# KiCad board keyboard.kicad_pcb (continued)
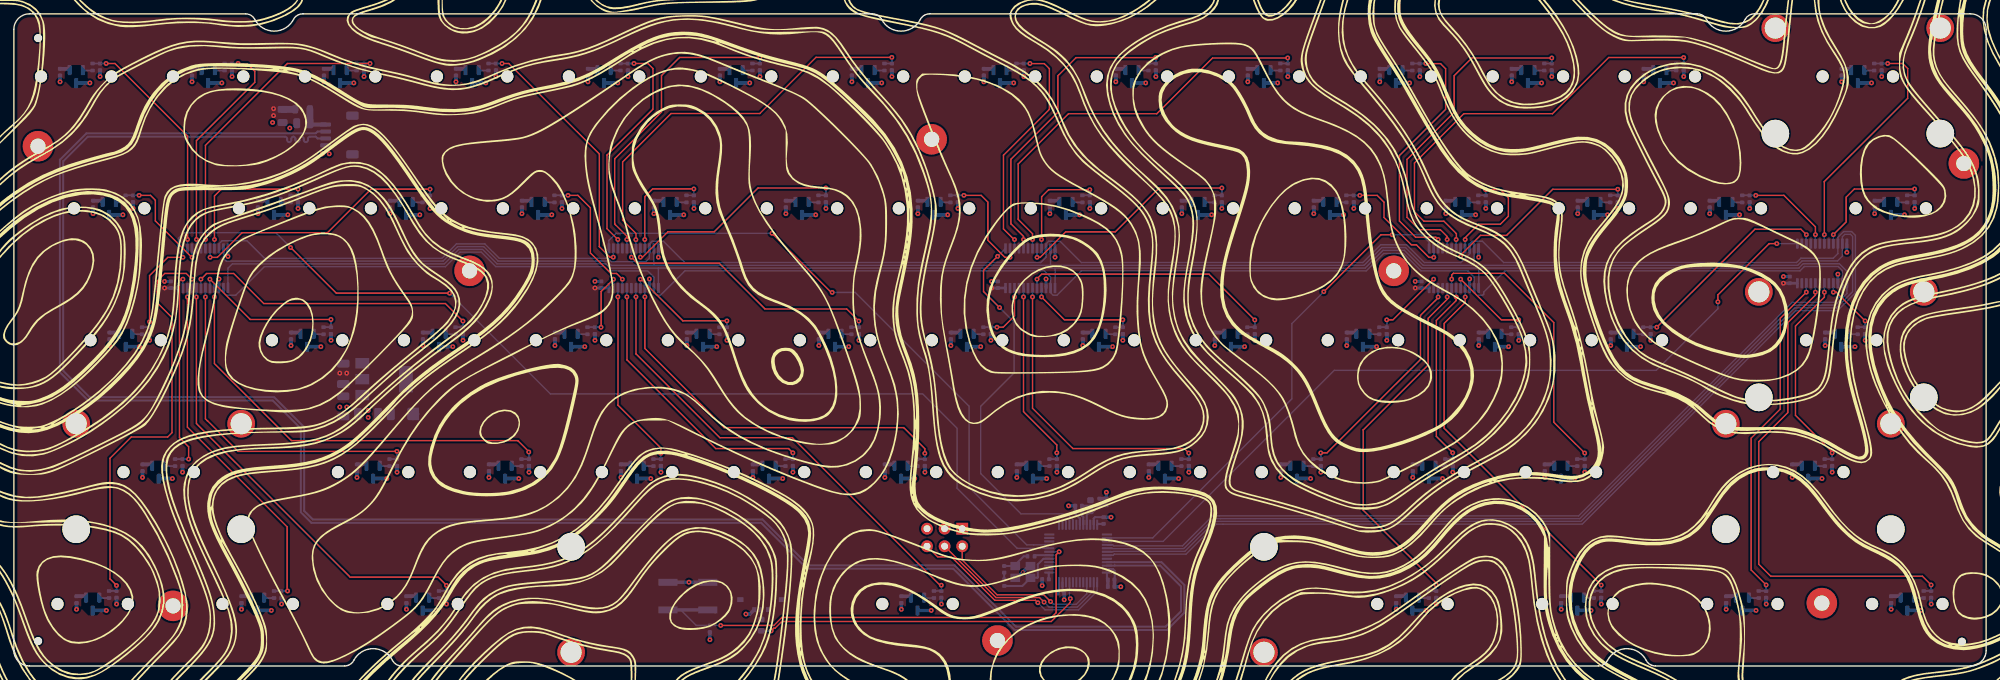
[diagram p0: board, top side]
## Routing (per net, layer and track width the routed paths; a pad name or vN(x,y) marks a point on that pad's centre or on a via; arc(x,y) is an arc through that point) (continued)
VBUS: length 4.4
  Bottom w0.2: C23.1 42.74,78.41
  Bottom w0.6: C23.1 42.93,78.2 J1.1
  Bottom w1: FB2.1 42.73,78.41
/Multiplexers/keys/KEYS_0_0: length 36.2
  Top w0.2: v1(13.32,87.03) 14.59,87.03 25.07,76.55 v1(25.07,61.6)
  Bottom w0.2: 12.43,87.03 R1.1 12.43,87.03 ; 12.43,87.03 C2.1 12.45,87.03 ; 12.44,87.03 12.45,87.03 ; 12.45,87.03 v1(13.32,87.03) 12.45,87.03 ; v1(25.07,61.6) 25.07,60.33 U4.3
/Multiplexers/keys/KEYS_0_1: length 35.9
  Top w0.2: v1(26.36,61.6) 26.35,61.6 26.35,75.89 34.77,84.31 34.77,85.91 33.68,87 32.44,87
  Bottom w0.2: 31.5,87.03 v1(32.37,87.03) ; 31.5,87.03 R4.1 31.48,87.03 ; 31.5,87.03 C19.1 32.42,87.02 32.44,87 ; v1(26.36,61.6) U4.5
/Multiplexers/keys/KEYS_0_2: length 47.4
  Top w0.2: v1(27.66,61.6) 27.66,75.21 39.48,87.03 v1(51.42,87.03)
  Bottom w0.2: 50.55,87.03 v1(51.42,87.03) 50.55,87.03 ; 50.55,87.03 C25.1 ; 50.55,87.03 R5.1 50.53,87.03 ; U4.7 v1(27.66,61.6)
/Multiplexers/keys/KEYS_0_3: length 41
  Top w0.2: v1(86.53,59.05) 86.03,59.05 84.51,60.57 84.51,73.96 71.44,87.03 70.47,87.03 v1(70.47,87.03) ; 86.53,58.92 86.35,58.92
  Bottom w0.2: 86.53,58.92 86.54,58.93 U5.2 ; 69.6,87.03 v1(70.47,87.03) 69.6,87.03 ; 69.6,87.03 C27.1 69.58,87.03 ; 69.6,87.03 69.59,87.03 ; 69.58,87.03 R6.1 69.58,87.03
/Multiplexers/keys/KEYS_0_4: length 36.3
  Top w0.2: v1(87.19,61.6) 85.62,63.16 85.62,73.8 92.25,80.43 92.25,86.3 91.52,87.03 v1(89.52,87.03)
  Bottom w0.2: U5.3 v1(87.19,61.6) ; 88.64,87.03 R7.1 88.63,87.03 ; 88.64,87.03 v1(89.52,87.03) 88.65,87.03 ; 88.64,87.03 88.64,87.02
/Multiplexers/keys/KEYS_0_5: length 47.7
  Top w0.2: v1(88.49,61.6) 88.49,62.08 86.73,63.83 86.73,73.27 93.48,80.02 93.48,85.29 96.09,87.9 107.69,87.9 v1(107.7,87.89)
  Bottom w0.2: 107.7,87.03 v1(107.7,87.89) 107.69,87.88 C31.1 107.68,87.03 ; v1(88.49,61.6) U5.5 ; 107.68,87.03 R8.1 107.68,87.03
/Multiplexers/keys/KEYS_0_6: length 62.3
  Top w0.2: v1(89.79,61.58) 89.8,61.6 89.8,62.47 87.87,64.4 87.87,72.8 94.87,79.8 107.67,79.8 115.79,87.92 v1(126.74,87.92)
  Bottom w0.2: 126.73,87.03 R9.1 126.73,87.03 ; 126.73,87.03 126.74,87.02 126.74,87.91 v1(126.74,87.92) 126.75,87.91 126.75,87.03 ; v1(89.79,61.58) U5.7
/Multiplexers/keys/KEYS_0_7: length 36.4
  Top w0.2: v1(144.44,61.6) 144.44,61.58 144.41,61.58 142.85,63.14 142.85,73.78 149.47,80.4 149.47,86.28 148.74,87.01 146.69,87.01 v1(146.67,87.03)
  Bottom w0.2: U6.3 v1(144.44,61.6) ; 145.79,87.03 C35.1 ; 145.79,87.03 v1(146.67,87.03) 145.8,87.03 ; 145.79,87.03 R10.1 145.78,87.03
/Multiplexers/keys/KEYS_0_8: length 47.8
  Top w0.2: 164.84,87.9 164.81,87.88 153.33,87.88 150.7,85.25 150.7,79.98 143.92,73.2 143.92,63.87 145.74,62.05 v1(145.74,61.6)
  Bottom w0.2: 164.84,87.25 v1(164.84,87.9) ; 164.84,87.25 164.83,87.24 164.83,87.03 ; 164.84,87.25 164.84,87.03 ; 164.83,87.03 R11.1 164.83,87.03 ; v1(145.74,61.6) U6.5 ; 164.84,87.9 v1(164.84,87.9) ; v1(164.84,87.9) 164.85,87.89 164.85,87.03
/Multiplexers/keys/KEYS_0_9: length 62
  Top w0.2: v1(183.87,87.83) 173.04,87.83 164.98,79.77 152.23,79.77 144.97,72.51 144.97,64.5 147.04,62.43 v1(147.04,61.6)
  Bottom w0.2: C39.1 183.89,87.82 v1(183.87,87.83) 183.9,87.81 183.9,87.03 ; v1(147.04,61.6) U6.7 ; 183.89,87.03 183.89,87.03 ; 183.88,87.03 R12.1 183.88,87.03
/Multiplexers/keys/KEYS_0_10: length 39.8
  Top w0.2: 203.82,87.03 203.84,87.01 205.94,87.01 206.67,86.28 206.67,80.4 200.01,73.73 200.01,64.27 202.34,61.93 205.26,61.93 v1(205.59,61.6)
  Bottom w0.2: 202.94,87.03 202.94,87.02 ; 202.95,87.03 v1(203.82,87.03) ; 202.94,87.03 R13.1 202.93,87.03 ; 202.94,87.03 v1(203.82,87.03) ; v1(203.82,87.03) 203.82,87.03 ; v1(205.59,61.6) 205.59,60.31 U7.3
/Multiplexers/keys/KEYS_0_11: length 51
  Top w0.2: v1(206.89,61.6) 206.89,62.04 205.91,63.02 202.88,63.02 201.1,64.81 201.1,73.17 207.9,79.98 207.9,85.25 210.48,87.83 221.99,87.83 v1(222,87.83)
  Bottom w0.2: 221.98,87.03 R14.1 221.98,87.03 ; 221.98,87.03 221.98,87.22 221.99,87.23 ; 221.99,87.23 221.99,87.03 ; 221.99,87.23 221.99,87.82 v1(222,87.83) 222,87.03 ; v1(206.89,61.6) 206.89,60.31 U7.5
/Multiplexers/keys/KEYS_0_12: length 65.8
  Top w0.2: v1(241.04,87.89) 230.22,87.89 222.1,79.78 209.3,79.78 202.17,72.65 202.17,65.61 203.54,64.24 206.44,64.24 208.23,62.45 208.23,61.6 v1(208.19,61.6)
  Bottom w0.2: 241.04,87.03 241.04,87.24 ; 241.03,87.03 241.03,87.24 241.04,87.24 ; 241.03,87.03 R15.1 241.03,87.03 ; v1(208.19,61.6) 208.19,60.31 U7.7 ; 241.04,87.24 241.04,87.89 v1(241.04,87.89) 241.05,87.89 241.05,87.03
/Multiplexers/keys/KEYS_0_13: length 37.4
  Top w0.2: 261.36,62.3 v1(261.34,62.3) 261.33,62.31 261.33,69.96 273.37,82 273.37,86.3 272.64,87.03 270.49,87.03
  Bottom w0.2: U8.7 v1(261.34,62.3) ; 269.62,87.03 270.49,87.03 ; 269.62,87.03 C47.1 ; 269.62,87.03 R16.1 269.6,87.03 ; 269.62,87.03 v1(270.49,87.03)
/Multiplexers/keys/KEYS_1_0: length 18.3
  Top w0.2: v1(25.72,59.03) 25.68,59.03 20.42,64.28 20.42,67.28 19.72,67.98 v1(18.08,67.98)
  Bottom w0.2: 17.21,67.98 v1(18.08,67.98) 17.21,67.98 ; 17.21,67.98 17.2,67.98 ; 17.21,67.98 C49.1 17.19,67.98 ; 17.19,67.98 R17.1 17.19,67.98 ; v1(25.72,59.03) 25.72,60.29 U4.4
/Multiplexers/keys/KEYS_1_1: length 24.6
  Top w0.2: v1(28.96,61.6) 28.96,67.89 29.94,68.88 v1(41.02,68.88)
  Bottom w0.2: 28.96,60.95 U4.9 28.96,60.95 ; 28.96,60.95 v1(28.96,61.6) ; 41.02,67.98 41.02,68.87 v1(41.02,68.88) 41.02,67.99 C51.1 ; R18.1 41,67.98 R18.1
/Multiplexers/keys/KEYS_1_2: length 41.5
  Top w0.2: v1(60.07,68.88) 51.56,68.88 45.27,62.59 32.94,62.59 29.38,59.03 v1(28.32,59.03)
  Bottom w0.2: 60.07,67.98 60.07,68.87 v1(60.07,68.88) 60.06,68.86 60.06,68.42 ; 60.06,68.42 C53.1 60.05,67.98 ; 60.06,68.42 60.06,67.98 ; v1(28.32,59.03) 28.32,60.29 U4.8 ; 60.05,67.98 R19.1 60.05,67.98
/Multiplexers/keys/KEYS_1_3: length 21.9
  Top w0.2: 79.99,67.98 81.42,67.98 83.22,66.18 83.22,59.66 86.17,56.7 86.99,56.7 87.83,55.86 v1(87.84,55.86)
  Bottom w0.2: 79.99,67.98 79.12,67.98 ; 79.12,67.98 C55.1 ; 79.12,67.98 R20.1 79.1,67.98 ; 79.12,67.98 v1(79.99,67.98) ; U5.21 v1(87.84,55.86)
/Multiplexers/keys/KEYS_1_4: length 17.1
  Top w0.2: v1(98.16,68.9) 98.14,68.92 92.21,68.92 91.07,67.78 v1(91.07,61.6)
  Bottom w0.2: 91.09,61.59 v1(91.07,61.6) 91.09,61.59 ; 91.09,61.59 U5.9 ; 98.17,68.9 v1(98.16,68.9) C57.1 98.15,67.98 R21.1 ; 98.16,68.92 98.16,68.91
/Multiplexers/keys/KEYS_1_5: length 36.7
  Top w0.2: 90.44,59.06 90.75,59.06 94.39,62.7 101.07,62.7 107.42,69.04 v1(117.2,69.04) 117.21,69.05
  Bottom w0.2: 117.21,68.25 117.2,68.24 117.2,67.98 ; 117.21,68.25 117.21,69.04 117.21,69.05 ; 117.21,68.25 117.21,67.98 ; v1(117.2,69.04) 117.22,69.03 117.22,67.98 ; 117.2,67.98 R22.1 117.2,67.98 ; U5.8 v1(90.44,59.05)
/Multiplexers/keys/KEYS_1_6: length 18.8
  Top w0.2: v1(143.79,59.03) 143.79,59.02 143.07,59.02 140.6,61.49 140.6,67 139.62,67.98 137.14,67.98 v1(137.14,67.98)
  Bottom w0.2: 136.27,67.98 v1(137.14,67.98) 136.27,67.98 ; 136.27,67.98 C61.1 ; 136.27,67.98 R23.1 136.25,67.98 ; v1(143.79,59.03) 143.79,59.03 U6.2
/Multiplexers/keys/KEYS_1_7: length 18.8
  Top w0.2: v1(148.34,61.6) 148.36,61.6 148.36,67.78 149.38,68.8 v1(155.31,68.8)
  Bottom w0.2: 155.31,68.19 v1(155.31,68.8) 155.32,68.79 155.32,67.98 ; 155.31,68.19 155.31,67.98 ; 155.31,68.19 155.3,68.18 155.3,67.98 ; 155.3,67.98 R24.1 155.3,67.98 ; v1(148.34,61.6) U6.9
/Multiplexers/keys/KEYS_1_8: length 36.7
  Top w0.2: v1(174.37,69.05) 165.32,69.05 158.97,62.7 151.82,62.7 148.17,59.04 147.69,59.04 v1(147.69,59.03)
  Bottom w0.2: 174.36,68.24 174.36,67.98 ; 174.36,68.24 174.36,69.03 v1(174.37,69.05) 174.37,69.04 174.37,67.98 ; 174.36,68.24 174.35,68.23 174.35,67.98 R25.1 174.35,67.98 ; v1(147.69,59.03) 147.69,60.31 U6.8
/Multiplexers/keys/KEYS_1_9: length 20.9
  Top w0.2: v1(204.96,59.03) 204.27,59.03 202.46,60.83 201.73,60.83 197.77,64.79 197.77,67 196.79,67.98 194.29,67.98
  Bottom w0.2: v1(204.96,59.03) 204.96,60.29 U7.2 ; 193.4,67.98 C67.1 193.42,67.98 ; 193.4,67.98 R26.1 193.4,67.98 ; 193.41,67.98 193.42,67.98 ; 193.42,67.98 194.29,67.98 ; 193.42,67.98 v1(194.29,67.98)
/Multiplexers/keys/KEYS_1_10: length 19.4
  Top w0.2: v1(209.49,61.6) 209.49,61.86 211.44,63.81 214.57,63.81 215.73,64.97 215.73,67.64 214.57,68.81 v1(212.45,68.81)
  Bottom w0.2: 212.45,68.08 212.46,68.07 212.46,67.98 ; 212.45,68.08 212.45,67.98 R27.1 212.45,67.98 ; 212.45,68.08 212.45,68.17 212.45,68.18 v1(212.45,68.81) 212.47,68.79 212.47,67.98 ; U7.9 209.49,60.31 v1(209.49,61.6)
/Multiplexers/keys/KEYS_1_11: length 31
  Top w0.2: v1(231.52,68.86) 222.13,68.86 215.47,62.2 211.7,62.2 208.84,59.34 v1(208.84,59.16)
  Bottom w0.2: U7.8 208.84,59.16 v1(208.84,59.16) ; 231.5,67.98 R28.1 231.5,67.98 ; 231.5,67.98 C71.1 ; 231.52,67.98 231.52,68.86 v1(231.52,68.86)
/Multiplexers/keys/KEYS_1_12: length 16.8
  Top w0.2: v1(260.05,62.3) 260.05,63.44 255.51,67.98 v1(251.44,67.98)
  Bottom w0.2: 250.56,67.98 250.57,67.98 ; 250.57,67.98 v1(251.44,67.98) 250.57,67.98 ; 250.57,67.98 C73.1 250.55,67.98 R29.1 250.55,67.98 ; v1(260.05,62.3) 260.04,62.29 U8.5
/Multiplexers/keys/KEYS_1_13: length 21.8
  Top w0.2: 274.37,68.9 265.67,68.9 264.49,67.72 264.49,64.15 v1(262.64,62.3)
  Bottom w0.2: v1(274.37,68.9) 274.37,67.98 ; v1(274.37,68.9) 274.37,68.9 ; v1(274.37,68.9) 274.38,68.89 274.38,67.98 ; U8.9 v1(262.64,62.3) ; 274.37,67.98 R30.1 274.36,67.98 ; 274.37,67.98 274.37,67.98
/Multiplexers/keys/KEYS_2_0: length 16.8
  Top w0.2: 24.4,59.05 24.41,59.04 v1(24.41,59.03) 22.22,59.03 19.59,56.4 v1(19.59,49.7) 19.57,49.72
  Bottom w0.2: 19.57,48.93 R31.1 19.58,48.93 19.58,48.92 ; v1(24.41,59.03) U4.2 ; 19.59,48.93 19.59,49.7 v1(19.59,49.7)
/Multiplexers/keys/KEYS_2_1: length 26.2
  Top w0.2: v1(28.3,55.87) 34.12,50.05 v1(45.77,50.05)
  Bottom w0.2: 45.76,48.93 R32.1 45.77,48.93 ; 45.78,48.93 45.78,50.04 v1(45.77,50.05) 45.77,50.05 45.77,48.93 ; 28.31,55.23 U4.17 28.31,55.23 ; 28.31,55.23 28.31,55.87 v1(28.3,55.87) ; 45.77,48.93 C79.1
/Multiplexers/keys/KEYS_2_2: length 46.9
  Top w0.2: 64.82,49.83 62.3,52.35 36.07,52.35 31.73,56.69 27.82,56.69 v1(27,55.87)
  Bottom w0.2: 64.83,48.93 64.83,49.82 v1(64.82,49.82) ; 64.82,49.83 v1(64.82,49.82) ; v1(64.82,49.82) 64.82,48.93 ; v1(27,55.87) 27.01,55.87 27.01,55.23 ; 64.82,48.93 R33.1 64.81,48.93 ; 64.82,48.93 C81.1 ; 27.01,55.23 U4.19 27.01,55.23
/Multiplexers/keys/KEYS_2_3: length 12.9
  Top w0.2: v1(86.55,55.86) 84.79,54.1 84.77,54.1 84.77,48.95 v1(84.75,48.93)
  Bottom w0.2: 83.88,48.93 83.87,48.93 ; 83.88,48.93 83.87,48.93 ; 83.88,48.93 v1(84.75,48.93) 83.88,48.93 ; 83.87,48.93 83.87,48.93 83.86,48.93 ; 83.87,48.93 83.87,48.92 ; 83.86,48.93 R34.1 83.86,48.93 ; U5.23 86.55,54.6 v1(86.55,55.86)
/Multiplexers/keys/KEYS_2_4: length 20.2
  Top w0.2: v1(90.44,55.86) 90.56,55.86 96.57,49.86 102.91,49.86 v1(102.92,49.85)
  Bottom w0.2: 102.91,48.93 102.92,48.93 ; 102.91,48.93 101.85,48.93 ; 102.91,48.93 R35.1 ; 102.92,48.93 C85.1 ; 102.92,48.93 C85.1 ; C85.1 v1(102.92,49.85) 102.93,49.84 102.93,48.93 ; v1(90.44,55.86) U5.17
/Multiplexers/keys/KEYS_2_5: length 41.8
  Top w0.2: v1(121.97,49.82) 120.22,51.57 108.42,51.57 101.81,58.19 90,58.19 v1(89.14,59.05)
  Bottom w0.2: 121.97,49.76 121.97,49.75 121.97,48.93 ; 121.97,48.93 121.97,48.92 ; 121.97,48.93 R36.1 121.96,48.93 ; 121.98,48.93 121.98,49.81 v1(121.97,49.82) ; v1(89.14,59.05) U5.6
/Multiplexers/keys/KEYS_2_6: length 11.1
  Top w0.2: v1(144.44,53.31) 144.44,50.57 142.8,48.93 v1(141.9,48.93)
  Bottom w0.2: 141.01,48.93 141.02,48.93 141.02,48.93 ; 141.01,48.93 R37.1 141.01,48.93 ; 141.03,48.93 141.02,48.93 ; 141.03,48.93 141.02,48.93 ; 141.03,48.93 v1(141.9,48.93) 141.03,48.93 ; 141.02,48.93 141.02,48.92 ; v1(144.44,53.31) U6.22
/Multiplexers/keys/KEYS_2_7: length 18.7
  Top w0.2: v1(160.07,50) 151.65,50 v1(148.34,53.31) 148.34,53.3
  Bottom w0.2: 160.06,48.93 R38.1 160.07,48.93 ; U6.16 v1(148.34,53.31) ; 160.07,48.93 160.07,50 v1(160.07,50) 160.08,49.99 160.08,48.93 ; 160.07,48.93 160.07,48.93
/Multiplexers/keys/KEYS_2_8: length 40
  Top w0.2: v1(179.13,49.98) 172.51,56.6 148.37,56.6 147.69,55.92 v1(147.69,55.87)
  Bottom w0.2: 179.12,48.93 R39.1 179.11,48.93 ; 179.12,48.93 179.12,48.93 ; 179.12,48.93 179.12,49.98 v1(179.13,49.98) 179.13,49.98 179.13,48.93 ; v1(147.69,55.87) 147.69,55.87 U6.17
/Multiplexers/keys/KEYS_2_9: length 15
  Top w0.2: 204.94,55.7 v1(204.94,55.87) 199.07,50 198.17,50
  Bottom w0.2: U7.23 v1(204.94,55.87) ; v1(198.17,50) 198.18,49.99 198.18,48.93 ; v1(198.17,50) 198.17,50 ; v1(198.17,50) 198.17,48.92 198.17,48.93 ; 198.17,48.93 C95.1 ; 198.17,48.93 198.16,48.93 ; R40.1 198.16,48.93 ; 198.16,48.93 197.1,48.93
/Multiplexers/keys/KEYS_2_10: length 17.2
  Top w0.2: 209.01,55.87 208.84,55.87 v1(208.84,55.87) 214.72,49.99 v1(217.22,49.99)
  Bottom w0.2: 208.84,55.23 208.84,55.23 U7.17 208.84,55.23 ; 208.84,55.23 v1(208.84,55.87) ; 217.22,48.93 217.22,48.93 ; 217.22,48.93 217.22,49.99 v1(217.22,49.99) 217.23,49.98 217.23,48.93 ; 217.22,48.93 R41.1 217.21,48.93
/Multiplexers/keys/KEYS_2_11: length 33.2
  Top w0.2: v1(258.74,62.3) 257.95,63.09 251.31,63.09 237.17,48.95 237.17,48.93
  Bottom w0.2: 258.74,62.24 258.74,61.66 258.74,61.66 258.74,61.32 ; 236.26,48.93 R42.1 236.27,48.93 236.28,48.93 236.28,48.93 ; 258.74,61.32 U8.3 258.74,61.32 ; 236.28,48.93 v1(237.15,48.93) ; 236.28,48.93 237.17,48.93 ; 236.28,48.93 236.27,48.92
/Multiplexers/keys/KEYS_2_12: length 11.6
  Top w0.2: v1(262.65,53.99) 263.08,53.99 v1(267.23,49.85)
  Bottom w0.2: 267.24,48.93 267.24,49.84 v1(267.23,49.85) 267.23,48.93 ; 267.23,48.93 266.16,48.93 ; 267.23,48.93 C101.1 ; 262.65,55.28 262.65,55.28 v1(262.65,53.99) ; 262.65,55.28 U8.16 ; 262.65,55.28 262.64,55.28 ; R43.1 267.22,48.93
/Multiplexers/keys/KEYS_3_0: length 32.7
  Top w0.2: v1(25.22,29.88) 25.22,29.88 25.22,31.68 23.91,32.99 23.91,55.61 24.17,55.87 v1(24.4,55.87)
  Bottom w0.2: 24.35,29.88 C103.1 ; 24.35,29.88 R44.1 24.33,29.88 ; 24.35,29.88 v1(25.22,29.88) 24.35,29.88 ; 24.41,55.23 U4.23 24.41,55.23 ; 24.41,55.23 24.41,55.87 v1(24.4,55.87)
/Multiplexers/keys/KEYS_3_1: length 53.4
  Top w0.2: 55.3,31 32.37,31 27.96,35.41 27.94,35.41 27.65,35.7 v1(27.65,53.3)
  Bottom w0.2: 55.29,29.88 R45.1 55.29,29.88 ; 55.29,29.88 C105.1 ; 55.29,29.88 55.29,30.43 55.3,30.44 ; v1(55.3,31) 55.31,30.99 55.31,29.88 ; v1(55.3,31) 55.3,30.44 ; v1(55.3,31) 55.3,31 ; 55.3,30.44 55.3,29.88 ; v1(27.65,53.3) 27.65,54.58 U4.18
/Multiplexers/keys/KEYS_3_2: length 66.5
  Top w0.2: v1(74.32,30.9) 74.32,30.98 72.75,32.55 40.08,32.55 28.95,43.69 v1(28.95,53.3)
  Bottom w0.2: 74.35,29.88 C107.1 ; 74.35,29.88 74.35,30.88 v1(74.32,30.9) 74.36,30.87 74.36,29.88 ; 74.35,29.88 R46.1 74.34,29.88 ; 28.96,53.95 28.96,53.31 v1(28.95,53.3) ; 28.96,53.95 U4.16 28.96,53.95 28.96,53.95
/Multiplexers/keys/KEYS_3_3: length 29.4
  Top w0.2: v1(93.4,30.71) 93.4,31.48 87.2,37.68 87.2,53.29 87.18,53.3 v1(87.18,53.32)
  Bottom w0.2: 93.39,29.88 R47.1 93.39,29.88 93.39,29.88 ; 93.39,29.88 C109.1 ; 93.39,29.88 C109.1 ; C109.1 v1(93.4,30.71) ; U5.22 87.19,53.32 v1(87.18,53.32)
/Multiplexers/keys/KEYS_3_4: length 43.8
  Top w0.2: v1(88.49,53.32) 88.5,53.31 88.5,44.22 101.32,31.4 111.84,31.4 v1(112.45,30.79)
  Bottom w0.2: 112.45,29.88 R48.1 112.44,29.88 ; 112.45,29.88 v1(112.45,30.79) 112.46,30.78 112.46,29.88 ; 112.45,29.88 112.45,29.88 ; U5.20 v1(88.49,53.32)
/Multiplexers/keys/KEYS_3_5: length 59.6
  Top w0.2: v1(131.5,30.71) 131.5,31.37 128.45,34.43 102.52,34.43 91.09,45.86 v1(91.09,53.32)
  Bottom w0.2: 131.49,29.88 R49.1 131.49,29.88 131.49,29.88 ; C113.1 131.5,30.71 v1(131.5,30.71) 131.51,30.7 131.51,29.88 ; C113.1 131.49,29.88 ; C113.1 131.49,29.88 ; 91.09,53.31 U5.16
/Multiplexers/keys/KEYS_3_6: length 29.7
  Top w0.2: 145.74,53.3 145.74,36.73 150.55,31.93 v1(150.55,30.79)
  Bottom w0.2: 150.54,29.88 R50.1 150.55,29.88 ; 145.74,53.3 U6.20 ; 150.55,29.88 150.55,29.88 ; 150.55,29.88 v1(150.55,30.79) 150.56,30.78 150.56,29.88
  vias: v1(145.74,53.31)
/Multiplexers/keys/KEYS_3_7: length 46.5
  Top w0.2: v1(147.04,53.31) 147.04,53.31 147.04,37.23 152.87,31.4 168.95,31.4 v1(169.6,30.75)
  Bottom w0.2: 169.6,29.88 169.6,29.88 ; 169.6,29.88 169.6,30.75 v1(169.6,30.75) 169.61,30.75 169.61,29.88 ; 169.6,29.88 R51.1 169.59,29.88 ; v1(147.04,53.31) U6.18
/Multiplexers/keys/KEYS_3_8: length 35.9
  Top w0.2: 188.65,30.78 189.55,30.78 201.6,42.82 203.04,44.27 203.04,50.63 205.59,53.18 v1(205.59,53.3)
  Bottom w0.2: U7.22 205.59,53.94 205.59,53.94 ; 205.59,53.94 205.59,54.59 ; 205.59,53.94 v1(205.59,53.3) ; 188.65,29.88 188.65,29.88 ; 188.65,29.88 v1(188.65,30.78) ; 188.65,29.88 R52.1 188.64,29.88 ; v1(188.65,30.78) 188.65,30.78 ; v1(188.65,30.78) 188.66,30.77 188.66,29.88
/Multiplexers/keys/KEYS_3_9: length 30.4
  Top w0.2: v1(208.2,53.3) 208.2,52.78 205.33,49.91 205.33,33.17 207.7,30.8
  Bottom w0.2: 207.69,29.88 207.69,29.88 ; 207.69,29.88 R53.1 207.69,29.88 ; 207.69,29.88 207.69,30.33 207.7,30.34 ; 207.69,29.88 C121.1 207.69,29.88 ; 207.7,30.8 v1(207.7,30.8) ; v1(207.7,30.8) 207.7,30.34 ; v1(207.7,30.8) 207.71,30.79 207.71,29.88 ; v1(208.2,53.3) 208.2,54.58 U7.18 ; 207.7,30.34 207.7,29.88
/Multiplexers/keys/KEYS_3_10: length 44.6
  Top w0.2: 226.71,30.79 222.28,35.22 222.28,49.61 215.17,56.72 207.79,56.72 207.55,56.48 v1(207.55,55.87)
  Bottom w0.2: 207.54,54.91 U7.19 207.54,54.91 ; 207.54,54.91 207.54,55.87 v1(207.55,55.87) ; 226.75,29.88 226.75,29.88 226.75,29.88 ; 226.75,29.88 226.75,29.87 ; 226.75,29.88 226.74,29.88 226.74,29.88 ; v1(226.75,30.76) 226.76,30.75 226.76,29.88 ; v1(226.75,30.76) C123.1 ; v1(226.75,30.76) 226.71,30.79 ; 226.74,29.88 R54.1 226.74,29.88
/Multiplexers/keys/KEYS_3_11: length 32.4
  Top w0.2: v1(261.35,54) 261.35,53.28 257.17,49.1 257.17,36.2 262.47,30.91 v1(262.47,30.78)
  Bottom w0.2: 261.35,55.28 U8.18 ; 261.35,55.28 261.35,55.28 ; 261.35,55.28 U8.18 ; U8.18 261.35,55.28 ; 262.46,29.88 C125.1 v1(262.47,30.78) 262.48,30.77 262.48,29.88 ; 262.46,29.88 261.4,29.88 R55.1 262.46,29.88 ; 261.35,55.28 v1(261.35,54)
/Multiplexers/keys/KEYS_4_0: length 63.5
  Top w0.2: v1(25.7,55.87) 24.87,56.7 21.79,56.7 20.69,55.6 20.69,52.46 22.82,50.33 22.82,33.69 22.21,33.08 16.95,33.08 13.87,30 13.87,12.58 14.82,11.63
  Bottom w0.2: 14.83,10.83 14.83,11.61 v1(14.82,11.62) ; v1(14.82,11.62) 14.82,11.63 ; v1(14.82,11.62) 14.82,10.83 ; 14.82,10.83 C127.1 ; 14.82,10.83 R56.1 14.81,10.83 ; 25.71,55.23 U4.21 25.71,55.23 ; 25.71,55.23 25.71,55.87 v1(25.7,55.87)
/Multiplexers/keys/KEYS_4_1: length 53.6
  Top w0.2: v1(25.05,53.3) 25.05,34.5 39.45,20.1 39.45,10.83
  Bottom w0.2: 38.62,10.83 38.63,10.82 38.64,10.83 ; 38.62,10.83 R57.1 ; 38.62,10.83 37.56,10.83 ; 38.64,10.83 39.44,10.83 39.45,10.83 ; 38.64,10.83 v1(39.51,10.83) ; 38.64,10.83 38.63,10.83 ; U4.22 25.05,54.58 v1(25.05,53.3)
/Multiplexers/keys/KEYS_4_2: length 69.5
  Top w0.2: 62.45,11.65 61.27,12.83 48.55,12.83 26.35,35.03 v1(26.35,53.3)
  Bottom w0.2: v1(62.44,11.64) 62.45,11.63 62.45,10.83 ; v1(62.44,11.64) 62.44,11.24 ; v1(62.44,11.64) 62.45,11.65 ; 62.44,11.24 62.43,11.23 62.43,10.83 ; 62.44,11.24 62.44,10.83 ; 62.43,10.83 R58.1 62.43,10.83 ; 62.43,10.83 62.44,10.82 ; v1(26.35,53.3) 26.35,54.58 U4.20
/Multiplexers/keys/KEYS_4_3: length 69.3
  Top w0.2: v1(89.8,53.32) 89.8,45.08 101.9,32.97 112.38,32.97 133.69,11.67 v1(133.88,11.67)
  Bottom w0.2: U5.18 89.79,53.33 v1(89.8,53.32) ; 133.89,10.83 133.89,11.66 v1(133.88,11.67) ; R59.1 133.87,10.83
/Multiplexers/keys/KEYS_4_4: length 56.6
  Top w0.2: 205.32,11.71 205.32,11.96 194.77,22.5 194.77,34.1 202.9,42.22 204.15,43.48 204.15,50.22 206.9,52.97 v1(206.9,53.3) 206.9,53.3
  Bottom w0.2: 205.32,11.71 v1(205.32,11.71) ; v1(205.32,11.71) 205.32,11.27 ; v1(205.32,11.71) 205.33,11.7 205.33,10.83 ; 205.32,11.27 205.32,10.83 ; 205.32,11.27 205.31,11.26 205.31,10.83 ; 205.31,10.83 R60.1 205.31,10.83 ; 205.31,10.83 205.32,10.82 ; v1(206.9,53.3) 206.9,54.58 U7.20
/Multiplexers/keys/KEYS_4_5: length 57.8
  Top w0.2: v1(229.13,11.68) 229.13,11.68 206.46,34.34 206.46,49.48 209.5,52.52 v1(209.5,53.3)
  Bottom w0.2: 229.13,10.82 229.12,10.83 ; 229.13,10.82 229.13,10.82 ; 229.13,10.82 C137.1 229.13,10.82 ; 229.13,10.82 229.12,10.83 ; 229.12,10.83 229.12,10.83 ; 229.12,10.83 229.12,11.24 229.13,11.25 ; 229.12,10.83 R61.1 ; 229.12,10.83 228.06,10.83 ; 229.14,10.83 229.14,11.67 v1(229.13,11.68) 229.13,11.68 229.13,11.25 ; v1(209.5,53.3) 209.5,54.58 U7.16 ; 229.13,11.25 229.13,10.83
/Multiplexers/keys/KEYS_4_6: length 51.7
  Top w0.2: v1(258.74,54) 258.74,54 254.97,50.23 254.97,37.1 250.77,32.9 250.77,13.87 v1(252.94,11.7)
  Bottom w0.2: 252.94,10.83 252.94,10.82 ; 252.94,10.83 R62.1 252.93,10.83 ; 252.94,10.83 v1(252.94,11.7) 252.95,11.69 252.95,10.83 ; v1(258.74,54) U8.22 ; 252.94,10.82 C139.1 ; 252.94,10.82 252.94,10.82
/Multiplexers/keys/KEYS_4_7: length 74
  Top w0.2: v1(276.75,11.7) 275.49,12.96 253.61,12.96 251.87,14.7 251.87,32.4 256.07,36.6 256.07,49.6 260.05,53.58 v1(260.05,54)
  Bottom w0.2: 276.75,10.83 R63.1 276.75,10.83 ; 276.75,10.83 C141.1 ; 276.75,10.83 v1(276.75,11.7) 276.76,11.69 276.76,10.83 ; v1(260.05,54) 260.05,55.28 260.05,55.28 ; 260.05,55.28 260.04,55.28 ; 260.05,55.28 U8.20
/S0: length 389.5
  Bottom w0.2: 263.29,60.94 263.29,59.57 262.62,58.9 257.96,58.9 257.33,58.28 215.05,58.28 211.97,61.35 210.53,61.35 210.14,60.97 210.14,60.27 ; 263.29,60.94 263.29,60.94 U8.10 ; 263.29,60.94 263.29,61.46 ; 263.29,60.94 263.29,61.92 264.12,62.75 265.27,62.75 265.82,62.2 265.82,53.9 263.25,51.33 257.22,51.33 254.18,48.29 254.18,48.28 226.38,20.48 173.52,20.48 169.19,16.15 158.84,16.15 158.69,15.99 U1.31 ; 210.14,60.27 210.14,59.54 208.88,58.28 203.61,58.28 201.04,60.84 197.29,60.84 194.73,58.28 154.1,58.28 151.02,61.35 149.38,61.35 148.99,60.97 148.99,60.39 ; 210.14,60.27 U7.10 ; U6.10 148.99,60.39 148.99,60.39 ; 148.99,60.39 148.99,59.04 148.22,58.28 96.84,58.28 93.76,61.35 92.12,61.35 91.74,60.97 U5.10 91.74,58.91 91.22,58.4 86.27,58.4 85.78,58.89 70.06,58.89 67.98,60.97 63.88,60.97 61.79,58.88 36.19,58.88 33.65,61.42 30.06,61.42 29.61,60.97 29.61,60.64 ; 29.61,60.64 U4.10 29.61,60.64
/S1: length 383.1
  Bottom w0.2: 149.64,57.88 U6.11 ; 149.64,57.88 194.9,57.88 197.46,60.44 200.88,60.44 203.44,57.88 210.74,57.88 ; 149.64,57.88 92.39,57.88 92.39,57.87 ; 92.39,57.87 U5.11 ; 92.39,57.87 86.23,57.87 85.61,58.49 69.9,58.49 67.82,60.57 64.05,60.57 61.96,58.48 30.66,58.48 30.25,58.88 30.25,60.31 U4.11 ; 210.74,57.88 210.78,57.92 210.78,60.3 U7.11 ; 210.74,57.88 257.5,57.88 258.12,58.5 263.24,58.5 263.94,59.2 U8.11 263.94,62 264.29,62.35 265.11,62.35 265.42,62.03 265.42,54.07 263.08,51.73 257.05,51.73 226.21,20.88 173.36,20.88 169.03,16.55 158.68,16.55 158.62,16.49 U1.30 ; 210.73,60.25 U7.11 ; U7.11 210.79,60.31 ; U7.11 210.79,60.31 ; U7.11 210.79,60.31
/S2: length 378.7
  Bottom w0.2: U6.14 149.65,54.59 149.65,56.17 148.74,57.08 96.86,57.08 93.34,53.55 92.77,53.55 92.39,53.93 U5.14 ; U6.14 149.64,54.57 ; U6.14 149.64,54.57 ; 210.79,54.55 210.79,53.93 211.18,53.55 212.02,53.55 212.17,53.7 212.17,54 215.25,57.08 257.83,57.08 258.45,57.7 263.35,57.7 263.95,57.1 263.95,55.28 U8.14 263.94,53.72 262.75,52.53 256.72,52.53 225.87,21.68 173.03,21.68 168.7,17.35 158.76,17.35 158.62,17.49 U1.28 ; 210.79,54.55 U7.14 ; 210.79,54.55 210.8,54.55 210.8,56.17 209.89,57.08 203.11,57.08 200.61,59.58 197.73,59.58 195.23,57.08 154.09,57.08 150.56,53.55 150.03,53.55 149.64,53.93 149.64,54.57 ; U5.14 92.39,54.59 ; U5.14 92.39,54.59 ; 92.39,54.59 92.39,56.17 91.5,57.06 85.91,57.06 85.28,57.69 69.57,57.69 67.49,59.77 64.38,59.77 62.29,57.68 36.15,57.68 32.02,53.55 30.64,53.55 30.26,53.93 30.26,54.26 ; 30.26,54.26 U4.14 30.26,54.26
/S3: length 378.7
  Bottom w0.2: 150.3,57.48 93.05,57.48 93.04,57.46 ; 150.3,57.48 150.3,54.59 U6.13 ; 150.3,57.48 150.3,57.48 195.06,57.48 197.63,60.04 200.71,60.04 203.28,57.48 257.66,57.48 258.29,58.1 263.52,58.1 264.59,57.02 264.59,55.78 ; 30.91,55.38 30.91,57.45 31.53,58.08 62.13,58.08 64.22,60.17 67.65,60.17 69.73,58.09 85.44,58.09 86.07,57.46 93.04,57.46 ; 30.91,55.38 U4.13 30.91,55.38 ; 211.44,56.03 U7.13 211.44,56.03 ; 211.44,56.03 211.44,57.48 ; U8.13 264.59,55.78 264.59,55.78 ; 264.59,55.78 264.59,53.8 262.92,52.13 256.89,52.13 226.04,21.28 173.19,21.28 168.86,16.95 158.6,16.95 158.56,16.99 U1.29 ; 93.04,57.46 U5.13 ; 264.59,54.17 264.59,54.54
ADC3_IN1: length 54.5
  Top w0.2: v1(142.29,51.77) 139.97,54.08 139.97,57.14 v1(142,59.17)
  Bottom w0.2: v1(142.29,51.77) 144.37,49.68 144.37,42.32 139.56,37.51 139.56,27.78 145.37,21.97 152.08,21.97 152.87,21.17 U1.17 ; v1(142,59.17) U6.1
ADC3_IN5: length 118.6
  Top w0.2: v1(245.97,52.6) 245.97,53.6 253.38,61.01 v1(254.47,61.01)
  Bottom w0.2: v1(245.97,52.6) 245.97,51.6 237.07,42.7 190.59,42.7 165.89,17.99 U1.27 ; v1(254.47,61.01) U8.1
ADC4_IN3: length 72.4
  Top w0.2: v1(189.09,54.07) 189.11,54.07 197.33,62.29 v1(198.97,62.29)
  Bottom w0.2: v1(198.97,62.29) 203.22,62.29 204.29,61.22 U7.1 204.29,60.31 ; v1(189.09,54.07) 184.47,49.45 184.47,38.58 164.39,18.49 U1.26
ADC12_IN1: length 151.5
  Top w0.2: v1(39.94,60.45) 46.55,53.85 v1(62.9,53.85)
  Bottom w0.2: v1(62.9,53.85) 77.46,39.29 131.19,39.29 136.14,34.34 136.14,25.67 144.82,16.99 U1.8 ; U4.1 23.76,61.77 24.56,62.58 37.81,62.58 v1(39.94,60.45)
ADC12_IN2: length 90.8
  Top w0.2: v1(118.12,53.96) 117.98,53.96 v1(109.43,62.5)
  Bottom w0.2: 85.89,60.68 U5.1 ; 85.89,60.68 85.89,60.56 ; 85.89,60.68 85.89,61.46 86.92,62.5 v1(109.43,62.5) ; U1.9 146.2,17.49 137.88,25.81 137.88,37.52 121.45,53.96 v1(118.12,53.96)
BOOT0: length 49.3
  Top w0.2: v1(109.32,5.07) 109.7,5.45 109.88,5.45 110.85,6.42 149.74,6.42 152.5,9.18 v1(152.5,9.72)
  Bottom w0.2: v1(152.5,9.72) 152.37,9.85 U1.45
  Bottom w0.3: v1(109.32,5.07) R3.2
HSE_IN: length 9.2
  Bottom w0.284: C13.1 145.58,11.56 Y1.1 147.75,12.73 147.79,12.77 147.79,12.89 147.8,12.9 147.8,14.66 148.64,15.49 U1.5
HSE_OUT: length 2.2
  Bottom w0.284: U1.6 147.5,15.99 R2.1
NRST: length 74.2
  Top w0.2: v1(150.89,16.49) 150.45,16.06 150.45,7.7 149.77,7.01 110.87,7.01 109.71,5.85 v1(102.03,5.85)
  Bottom w0.2: SW1.1 96.26,8.09 98.5,5.85 C17.2 v1(102.03,5.85) ; v1(150.89,16.49) U1.7
  Bottom w0.5: SW1.1 SW1.1 ; 101.25,7.84 100.99,8.1
SWCLK: length 27.4
  Top w0.2: v1(148.71,9.22) 148.05,9.88 141.76,9.88 SWD1.4
  Bottom w0.2: v1(148.71,9.22) 149.43,8.5 153.52,8.5 155.87,10.86 U1.38
SWDIO: length 30.8
  Top w0.2: SWD1.6 133.34,15.76 135.32,15.76 141.6,9.48 147.47,9.48 v1(147.82,9.14)
  Bottom w0.2: U1.37 156.37,10.79 153.69,8.1 148.85,8.1 v1(147.82,9.14)
SWO: length 24.9
  Top w0.2: SWD1.2 136.89,15.32 141.93,10.28 148.67,10.28 v1(149.65,9.3)
  Bottom w0.2: v1(149.65,9.3) 150.05,8.9 153.36,8.9 154.87,10.42 U1.40
USB_D+: length 273.1
  Bottom w0.284: U1.34 158.89,14.49 158.9,14.5 165.47,14.5 168.48,11.49 168.48,7.9 166.26,5.68 144.65,5.68 135.8,14.53 114.7,14.53 108.07,21.16 43.15,21.16 41.9,22.4 41.9,34.49 37.58,38.82 10.94,38.82 7.13,42.63 7.13,72.91 10.67,76.46 39.15,76.46 arc(39.36,76.37) 39.45,76.16 39.45,75.97 arc(39.54,75.75) 39.75,75.67 arc(39.96,75.75) 40.05,75.97 40.05,76.16 arc(40.14,76.37) 40.35,76.46 arc(40.56,76.37) 40.65,76.16 40.65,75.97 arc(40.74,75.75) 40.95,75.67 arc(41.16,75.75) 41.25,75.97 41.25,76.16 arc(41.34,76.37) 41.55,76.46 arc(41.76,76.37) 41.85,76.16 41.85,75.97 arc(41.94,75.75) 42.15,75.67 arc(42.36,75.75) 42.45,75.97 42.45,76.16 arc(42.54,76.37) 42.75,76.46 43.58,76.46 43.84,76.2 J1.3
USB_D-: length 273.1
  Bottom w0.284: J1.2 43.84,77.2 43.58,76.94 10.47,76.94 6.64,73.11 6.64,42.43 10.73,38.34 37.37,38.34 41.42,34.29 41.42,22.2 42.94,20.68 107.87,20.68 114.5,14.05 135.6,14.05 144.45,5.2 166.46,5.2 168.97,7.7 168.97,11.69 165.67,14.98 158.9,14.98 158.89,14.99 U1.33
Net-(C13-Pad2): length 1
  Bottom w0.284: 142.94,13.16 142.95,13.15 ; C14.2 142.95,12.53
Net-(C14-Pad1): length 4.1
  Bottom w0.284: Y1.3 144.54,14.44 C14.1 ; Y1.3 144.54,14.42 ; Y1.3 144.55,14.63 145.76,15.84 R2.2
Net-(HALL1-OUT): length 2.7
  Bottom w0.2: 10.03,86.01 R1.2 10.03,86.01
Net-(HALL2-OUT): length 2.7
  Bottom w0.2: 29.08,86.01 R4.2 29.08,86.01
Net-(HALL3-OUT): length 2.7
  Bottom w0.2: 48.13,86.01 R5.2 48.13,86.01
Net-(HALL4-OUT): length 2.7
  Bottom w0.2: 67.18,86.01 R6.2 67.18,86.01
Net-(HALL5-OUT): length 2.7
  Bottom w0.2: 86.23,86.01 R7.2 86.23,86.01
Net-(HALL6-OUT): length 2.7
  Bottom w0.2: 105.28,86.01 R8.2 105.28,86.01
Net-(HALL7-OUT): length 2.7
  Bottom w0.2: 124.33,86.01 R9.2 124.33,86.01
Net-(HALL8-OUT): length 2.7
  Bottom w0.2: 143.38,86.01 R10.2 143.38,86.01
Net-(HALL9-OUT): length 2.7
  Bottom w0.2: 162.43,86.01 R11.2 162.43,86.01
Net-(HALL10-OUT): length 2.7
  Bottom w0.2: 181.48,86.01 R12.2 181.48,86.01
Net-(HALL11-OUT): length 2.7
  Bottom w0.2: 200.53,86.01 R13.2 200.53,86.01
Net-(HALL12-OUT): length 2.7
  Bottom w0.2: 219.58,86.01 R14.2 219.58,86.01
Net-(HALL13-OUT): length 2.7
  Bottom w0.2: 238.63,86.01 R15.2 238.63,86.01
Net-(HALL14-OUT): length 2.7
  Bottom w0.2: 267.21,86.01 R16.2 267.21,86.01
Net-(HALL15-OUT): length 2.7
  Bottom w0.2: R17.2 14.79,66.96 R17.2
Net-(HALL16-OUT): length 2.7
  Bottom w0.2: 38.61,66.96 R18.2 38.61,66.96
Net-(HALL17-OUT): length 2.7
  Bottom w0.2: 57.66,66.96 R19.2 57.66,66.96
Net-(HALL18-OUT): length 2.7
  Bottom w0.2: 76.71,66.96 R20.2 76.71,66.96
Net-(HALL19-OUT): length 2.7
  Bottom w0.2: 95.76,66.96 R21.2 95.76,66.96
Net-(HALL20-OUT): length 2.7
  Bottom w0.2: 114.81,66.96 R22.2 114.81,66.96
Net-(HALL21-OUT): length 2.7
  Bottom w0.2: 133.86,66.96 R23.2 133.86,66.96
Net-(HALL22-OUT): length 2.7
  Bottom w0.2: 152.91,66.96 R24.2 152.91,66.96
Net-(HALL23-OUT): length 2.7
  Bottom w0.2: 171.96,66.96 R25.2 171.96,66.96
Net-(HALL24-OUT): length 2.7
  Bottom w0.2: 191.01,66.96 R26.2 191.01,66.96
Net-(HALL25-OUT): length 2.7
  Bottom w0.2: 210.06,66.96 R27.2 210.06,66.96
Net-(HALL26-OUT): length 2.7
  Bottom w0.2: 229.11,66.96 R28.2 229.11,66.96
Net-(HALL27-OUT): length 2.7
  Bottom w0.2: 248.16,66.96 R29.2 248.16,66.96
Net-(HALL28-OUT): length 2.7
  Bottom w0.2: 271.97,66.96 R30.2 271.97,66.96
Net-(HALL29-OUT): length 2.7
  Bottom w0.2: 18.51,47.91 17.18,47.91 18.51,47.91 ; 18.51,47.91 R31.2 18.51,47.91
Net-(HALL30-OUT): length 2.7
  Bottom w0.2: R32.2 43.37,47.91 R32.2
Net-(HALL31-OUT): length 2.7
  Bottom w0.2: R33.2 62.42,47.91 R33.2
Net-(HALL32-OUT): length 2.7
  Bottom w0.2: 81.47,47.91 R34.2 81.47,47.91
Net-(HALL33-OUT): length 2.7
  Bottom w0.2: 100.52,47.91 R35.2 100.52,47.91
Net-(HALL34-OUT): length 2.7
  Bottom w0.2: 119.57,47.91 R36.2 119.57,47.91
Net-(HALL35-OUT): length 2.7
  Bottom w0.2: 138.62,47.91 R37.2 138.62,47.91
Net-(HALL36-OUT): length 2.7
  Bottom w0.2: 157.67,47.91 R38.2 157.67,47.91
Net-(HALL37-OUT): length 2.7
  Bottom w0.2: 176.72,47.91 R39.2 176.72,47.91
Net-(HALL38-OUT): length 2.7
  Bottom w0.2: 195.77,47.91 R40.2 195.77,47.91
Net-(HALL39-OUT): length 2.7
  Bottom w0.2: 214.82,47.91 R41.2 214.82,47.91
Net-(HALL40-OUT): length 2.7
  Bottom w0.2: 233.87,47.91 R42.2 233.87,47.91
Net-(HALL41-OUT): length 2.7
  Bottom w0.2: 264.83,47.91 266.16,47.91 264.83,47.91
Net-(HALL42-OUT): length 2.7
  Bottom w0.2: R44.2 21.94,28.86 R44.2
Net-(HALL43-OUT): length 2.7
  Bottom w0.2: 52.89,28.86 R45.2 52.89,28.86
Net-(HALL44-OUT): length 2.7
  Bottom w0.2: 71.94,28.86 R46.2 71.94,28.86
Net-(HALL45-OUT): length 2.7
  Bottom w0.2: 90.99,28.86 R47.2 90.99,28.86
Net-(HALL46-OUT): length 2.7
  Bottom w0.2: 110.04,28.86 R48.2 110.04,28.86
Net-(HALL47-OUT): length 2.7
  Bottom w0.2: 129.09,28.86 R49.2 129.09,28.86
Net-(HALL48-OUT): length 2.7
  Bottom w0.2: 148.14,28.86 R50.2 148.14,28.86
Net-(HALL49-OUT): length 2.7
  Bottom w0.2: 167.19,28.86 R51.2 167.19,28.86
Net-(HALL50-OUT): length 2.7
  Bottom w0.2: 186.24,28.86 R52.2 186.24,28.86
Net-(HALL51-OUT): length 2.7
  Bottom w0.2: 205.29,28.86 R53.2 205.29,28.86
Net-(HALL52-OUT): length 2.7
  Bottom w0.2: 224.34,28.86 R54.2 224.34,28.86
Net-(HALL53-OUT): length 2.7
  Bottom w0.2: 260.06,28.86 R55.2 260.06,28.86
Net-(HALL54-OUT): length 2.6
  Bottom w0.2: R56.2 12.41,9.81 13.44,9.81 13.64,9.81
Net-(HALL55-OUT): length 2.6
  Bottom w0.2: 36.23,9.81 37.45,9.81 ; 36.23,9.81 37.56,9.81
Net-(HALL56-OUT): length 2.6
  Bottom w0.2: R58.2 60.04,9.81 61.06,9.81 61.26,9.81
Net-(HALL57-OUT): length 1.3
  Bottom w0.2: 131.48,9.81 132.81,9.81
Net-(HALL58-OUT): length 2.7
  Bottom w0.2: 202.91,9.81 R60.2 202.91,9.81
Net-(HALL59-OUT): length 2.7
  Bottom w0.2: 226.73,9.81 228.06,9.81 226.73,9.81
Net-(HALL60-OUT): length 2.7
  Bottom w0.2: 250.54,9.81 R62.2 250.54,9.81
Net-(HALL61-OUT): length 2.7
  Bottom w0.2: R63.2 274.35,9.81 R63.2
Net-(R3-Pad1): length 1.4
  Bottom w0.3: U3.C R3.1

## Copper pours and planes (outline as drawn; the poured copper is in the pictures)
+3V3 on Bottom: -36.71,115.87 -36.71,-19.07 328.41,-19.07 328.41,115.87
+5V on Top: -36.71,115.87 328.41,115.87 328.41,-19.07 -36.71,-19.07
+5V on Bottom: 51.55,42.7 48.95,42.7 48.95,41.6 46.55,41.6 46.55,44.9 51.55,44.9
+5V on Bottom: 39.39,79.1 36.99,79.1 36.99,80.9 39.39,80.9
GND on Bottom: 36.98,79.1 42.68,79.1 42.68,77.26 36.98,77.26
GND on Bottom: 46.45,35.2 51.85,35.2 51.85,40.2 48.75,40.2 48.75,38.1 46.45,38.1
GND on Bottom: 46.07,73.58 46.07,75.58 43.97,75.58 43.97,73.58
GND on In1.Cu, In2.Cu: -36.71,115.87 -36.71,-19.07 328.41,-19.07 328.41,115.87
/in_esr on Bottom: 46.65,41.3 48.45,41.3 48.45,38.4 46.65,38.4
/ldo_output on Bottom: 49.25,42.7 51.85,42.7 52.65,43.5 58.05,43.5 58.05,35.2 55.05,35.2 55.05,37.3 51.85,37.3 51.85,40.2 49.25,40.2
/out_esr on Bottom: 55.05,37.3 55.05,35.5 52.15,35.5 52.15,37.3
